# Altium PCB EIT_Teensy_PCBMain.PcbDoc (part 1 of 2) (continued)
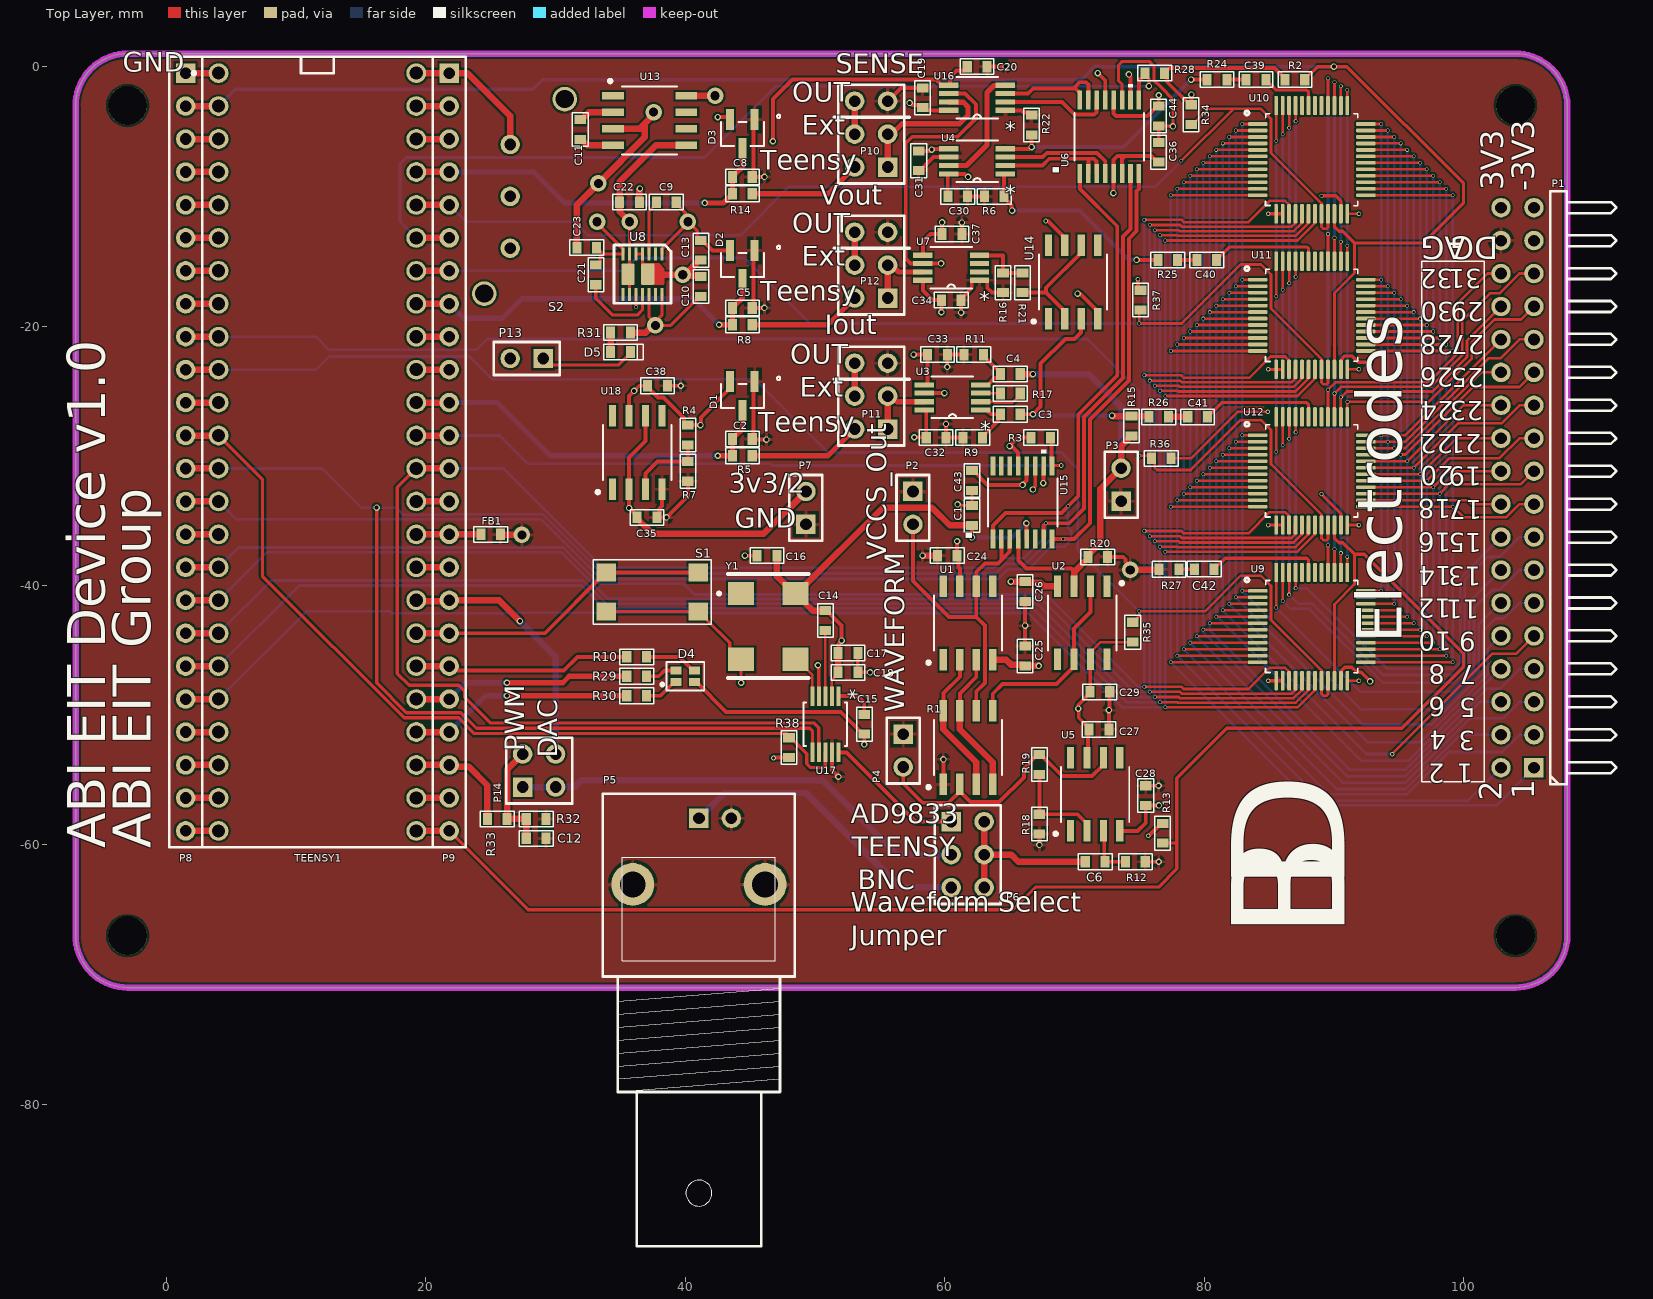
[diagram p0: Top Layer view]
## Footprints (in the part's own frame and the unit in brackets; to place one, negate y for a bottom-side part, rotate by r counter-clockwise, add the part's x,y. Pads: shape width x height; smd on the part's side, far side on the other; paste and mask are expansions set on the pad) (continued)
LED_RGB [mm]
  rect 0.6x0.85 smd: 1(-0.45,0.725) 2(0.45,0.725) 3(0.45,-0.725) 4(-0.45,-0.725)
  silkscreen extent -1.1,-1.45 1.1,1.88, body extent -0.8,-0.8 0.8,0.8, height 0.35
QFP50P900X900X120-49N [mm]
  rrect50% 1.49x0.28 smd mask+0: 1(-4.17,2.75) 2(-4.17,2.25) 3(-4.17,1.75) 4(-4.17,1.25) 5(-4.17,0.75) 6(-4.17,0.25) 7(-4.17,-0.25) 8(-4.17,-0.75) 9(-4.17,-1.25) 10(-4.17,-1.75) 11(-4.17,-2.25) 12(-4.17,-2.75) 25(4.17,-2.75) 26(4.17,-2.25) 27(4.17,-1.75) 28(4.17,-1.25) 29(4.17,-0.75) 30(4.17,-0.25) 31(4.17,0.25) 32(4.17,0.75) 33(4.17,1.25) 34(4.17,1.75) 35(4.17,2.25) 36(4.17,2.75)
  rrect50% 0.28x1.49 smd mask+0: 13(-2.75,-4.17) 14(-2.25,-4.17) 15(-1.75,-4.17) 16(-1.25,-4.17) 17(-0.75,-4.17) 18(-0.25,-4.17) 19(0.25,-4.17) 20(0.75,-4.17) 21(1.25,-4.17) 22(1.75,-4.17) 23(2.25,-4.17) 24(2.75,-4.17) 37(2.75,4.17) 38(2.25,4.17) 39(1.75,4.17) 40(1.25,4.17) 41(0.75,4.17) 42(0.25,4.17) 43(-0.25,4.17) 44(-0.75,4.17) 45(-1.25,4.17) 46(-1.75,4.17) 47(-2.25,4.17) 48(-2.75,4.17)
  silkscreen extent -5.16,-3.55 3.55,3.76
RM_10_ADI [mm]
  rect 1.513x0.3 smd paste+0 mask+0: 1(-2.172,1) 2(-2.172,0.5) 3(-2.172,0) 4(-2.172,-0.5) 5(-2.172,-1) 6(2.172,-1) 7(2.172,-0.5) 8(2.172,0) 9(2.172,0.5) 10(2.172,1)
  silkscreen extent -1.68,-1.68 1.68,1.68, body extent 0,0 0.25,0.25, height 0.25
SOP65P490X110-8N [mil]
  rect 59x15.75 smd mask+0: 1(-86,38) 2(-86,13) 3(-86,-13) 4(-86,-38) 5(86,-38) 6(86,-13) 7(86,13) 8(86,38)
  silkscreen extent -63,-63 63,63
SOT-23_STM-M [mil]
  rect 24x64 smd paste+0 mask+0: 1(-37.4,-44) 2(37.4,-44) 3(0,44)
  silkscreen extent -115,-59 65,37, body extent -60,-53 60,55, height 55
"SWITCH SLIDE SPDT" [mm]
  round 1.5 hole 0.9 paste+0 mask+0: 1(0,0) 2(4,0) 3(8,0)
  round 1.9 hole 1.4 paste+0 mask+0: ""(-3.5,2) ""(11.5,-4.2)
  body extent -4,-4.45 12,2.25, height 12.1
"TACTILE SWITCH SMD MOM" [mm]
  rect 1.5x1.4 smd paste+0 mask+0: 1(0,0) 2(7.1,0) 3(0,3) 4(7.1,3)
  silkscreen extent -1,-1 8.1,4, body extent -0.25,-0.75 7.25,3.75, height 4.9
TEENSY3.6-EDGEONLY [mil]
  round 60 hole 40: 0(0,-100) 1(0,-200) 2(0,-300) 3(0,-400) 3.3V1(0,-1400) 3.3V2(600,-200) 4(0,-500) 5(0,-600) 6(0,-700) 7(0,-800) 8(0,-900) 9(0,-1000) 10(0,-1100) 11(0,-1200) 12(0,-1300) 13(600,-1300) 14(600,-1200) 15(600,-1100) 16(600,-1000) 17(600,-900) 18(600,-800) 19(600,-700) 20(600,-600) 21(600,-500) 22(600,-400) 23(600,-300) 24(0,-1500) 25(0,-1600) 26(0,-1700) 27(0,-1800) 28(0,-1900) 29(0,-2000) 30(0,-2100) 31(0,-2200) 32(0,-2300) 33(600,-2300) 34(600,-2200) 35(600,-2100) 36(600,-2000) 37(600,-1900) 38(600,-1800) 39(600,-1700) A21(600,-1600) A22(600,-1500) AGND(600,-100) GND1(0,0) GND2(600,-1400) VIN(600,0)
  silkscreen extent -80,-2350 650,50, body extent -50,-2350 650,50, height 496
TSSOP-16 [mm]
  rect 1.462x0.355 smd paste+0 mask+0: 1(-2.819,2.275) 2(-2.819,1.625) 3(-2.819,0.975) 4(-2.819,0.325) 5(-2.819,-0.325) 6(-2.819,-0.975) 7(-2.819,-1.625) 8(-2.819,-2.275) 9(2.819,-2.275) 10(2.819,-1.625) 11(2.819,-0.975) 12(2.819,-0.325) 13(2.819,0.325) 14(2.819,0.975) 15(2.819,1.625) 16(2.819,2.275)
  silkscreen extent -1.85,-2.68 4.06,2.68, body extent 0,0 0.25,0.25, height 0.25
"XTAL SMD" [mm]
  rect 1.8x2 smd: 1(0,0) 2(-5.08,0) 3(-5.08,-4.2) 4(0,-4.2)
  silkscreen extent -6.5,-5.2 1.5,1.8

## Part data
C1 C9 C14 C16 C17 C19 C20 C21 C24 C25 C26 C27 C28 C29 C30 C31 C32 C33 C34 C35 C36 C37 C38 C43 C44: library part "Cap 0603 100nF 10% 50V", "Multi Layer Ceramic Capacitor (MLCC) / Cap Ceramic 0.1uF 50V X7R 10% Pad SMD 0603 125¡ãC T/R", Case Code (Imperial)=0603, Case Code (Metric)=1608, Dielectric=X7R, Manufacturer=Samsung, Manufacturer Part Number=CL10B104KB8NNNC, Max Operating Temperature=125°C, Min Operating Temperature=-55°C, Package Quantity=1, Supplier Part Number 1=1276-1000-1-ND, Tolerance=10%, Voltage=50V, Capacitance=100nF, Case/Package=0603, Category="Ceramic Capacitors", ComponentLink1Description=https://datasheet.ciiva.com/25803/cl10b104kb8nnnc-25803393.pdf?src-supplier=Digi-Key, ComponentLink1URL=https://datasheet.ciiva.com/25803/cl10b104kb8nnnc-25803393.pdf?src-supplier=Digi-Key, ComponentLink2Description=https://datasheet.ciiva.com/26838/getdatasheetpartid-89097-26838411.pdf?src-supplier=Verical, ComponentLink2URL=https://datasheet.ciiva.com/26838/getdatasheetpartid-89097-26838411.pdf?src-supplier=Verical, ComponentLink3Description=https://datasheet.ciiva.com/29198/456651-da-01-en-vs-kondensator-0605-29198839.pdf?src-supplier=Conrad, ComponentLink3URL=https://datasheet.ciiva.com/29198/456651-da-01-en-vs-kondensator-0605-29198839.pdf?src-supplier=Conrad, Construction=Flat, Contact Plating=Tin, Depth=0.8mm, Height=0.8mm, Lead Free="Lead Free", Length=1.6mm, Material=Ceramic, Mount="Surface Mount", Packaging="Tape and Reel", Pricing 1="1=0.10000, 10=0.03000, 50=0.01620, 100=0.01330, 500=0.00950, 1000=0.00746 (USD)", Radiation Hardening=No, RoHS=Yes, RoHS Compliant=Yes, Series=CL, Supplier 1=Digi-Key, Thickness=0.035inch, Voltage Rating=50V, Voltage Rating (DC)=50V, Width=0.031inch
  C1 C9 C19 C20 C21 C24 C25 C26 C27 C28 C29 C30 C31 C32 C33 C34 C35 C36 C37 C38 C43 C44: Stock 1=16768569
  C14 C16 C17: Stock 1=16186368
C2 C5 C8 C12: library part "Cap 0603 10pF 5% 100V", "CAP, MLCC, C0G/NP0, 10PF, 50V,0603, REEL; Product Range:YAGEO - CC Series; Capacitance:10pF; Capacitance Tolerance:± 5%; Dielectric Characteristic:C0G / NP0; Voltage Rating:50V; Ceramic Capacitor Case:0603 [1608 Metric]; Operating Temperature Min:-55°C; Operating Temperature Max:125°C; Packaging:Tape & Reel; MSL:MSL 1 - Unlimited; SVHC:No SVHC (16-Dec-2013); Capacitance Tolerance ±:± 5%; Capacitor Case Style:0603 [1608 Metric]; Capacitor Terminals:SMD; No. of Pins:2; Operating Temperature Range:-55°C to +125°C; Reel Quantity:4000; Temperature Coefficient:0ppm/°C ± 30ppm/°C; Terminal Type:Surfa", Case Code (Imperial)=0603, Case Code (Metric)=1608, Dielectric=C0G, Insulation Resistance=100GR, Manufacturer=Yageo, Manufacturer Part Number=CC0603JRNPO9BN100, Max Operating Temperature=125°C, Min Operating Temperature=-55°C, Package Quantity=1, Resistor Type=Ceramic, Supplier Part Number 1=311-1058-1-ND, Temperature Coefficient=30ppm/°C, Tolerance=5%, Voltage=50V, Capacitance=10pF, Case/Package=0603, Category="Ceramic Capacitors", ComponentLink1Description=https://datasheet.ciiva.com/144/mlccorderingcode-144651.pdf?src-supplier=Digi-Key, ComponentLink1URL=https://datasheet.ciiva.com/144/mlccorderingcode-144651.pdf?src-supplier=Digi-Key, ComponentLink2Description=https://datasheet.ciiva.com/5789/1734582-5789616.pdf?src-supplier=Farnell, ComponentLink2URL=https://datasheet.ciiva.com/5789/1734582-5789616.pdf?src-supplier=Farnell, ComponentLink3Description=https://datasheet.ciiva.com/11786/0900766b8079c870-11786407.pdf?src-supplier=RSComponents, ComponentLink3URL=https://datasheet.ciiva.com/11786/0900766b8079c870-11786407.pdf?src-supplier=RSComponents, ComponentLink4Description=https://datasheet.ciiva.com/26862/getdatasheetpartid-403524-26862758.pdf?src-supplier=Verical, ComponentLink4URL=https://datasheet.ciiva.com/26862/getdatasheetpartid-403524-26862758.pdf?src-supplier=Verical, ComponentLink5Description=https://datasheet.ciiva.com/144/mlccorderingcode-144649.pdf?src-supplier=Digi-Key, ComponentLink5URL=https://datasheet.ciiva.com/144/mlccorderingcode-144649.pdf?src-supplier=Digi-Key, ComponentLink6Description=https://datasheet.ciiva.com/144/mlccorderingcode-144650.pdf?src-supplier=Digi-Key, ComponentLink6URL=https://datasheet.ciiva.com/144/mlccorderingcode-144650.pdf?src-supplier=Digi-Key, ComponentLink7Description=https://datasheet.ciiva.com/5425/upy-gp-np0-16v-to-50v-8-5425564.pdf?src-supplier=Mouser, ComponentLink7URL=https://datasheet.ciiva.com/5425/upy-gp-np0-16v-to-50v-8-5425564.pdf?src-supplier=Mouser, ComponentLink8Description=https://datasheet.ciiva.com/16625/upy-gp-np0-16v-to-50v-8-16625514.pdf?src-supplier=Avnet+Europe, ComponentLink8URL=https://datasheet.ciiva.com/16625/upy-gp-np0-16v-to-50v-8-16625514.pdf?src-supplier=Avnet+Europe, ComponentLink9Description=https://datasheet.ciiva.com/7978/1132289-7978126.pdf?src-supplier=Element14, ComponentLink9URL=https://datasheet.ciiva.com/7978/1132289-7978126.pdf?src-supplier=Element14, ComponentLink10Description=https://datasheet.ciiva.com/8033/1734582-8033706.pdf?src-supplier=Element14, ComponentLink10URL=https://datasheet.ciiva.com/8033/1734582-8033706.pdf?src-supplier=Element14, ComponentLink11Description=https://datasheet.ciiva.com/8033/1734582-8033710.pdf?src-supplier=Element14, ComponentLink11URL=https://datasheet.ciiva.com/8033/1734582-8033710.pdf?src-supplier=Element14, ComponentLink12Description=https://datasheet.ciiva.com/46430/1835847-46430150.pdf?src-supplier=Element14, ComponentLink12URL=https://datasheet.ciiva.com/46430/1835847-46430150.pdf?src-supplier=Element14, Depth=0.8mm, Height=0.8mm, Lead Free="Lead Free", Length=1.6mm, Mount="Surface Mount", Number of Pins=2, Packaging="Tape and Reel", Pricing 1="1=0.10000, 10=0.04100, 50=0.02220, 100=0.01810, 500=0.01296, 1000=0.01018 (USD)", Radiation Hardening=No, REACH SVHC="No SVHC", RoHS=Yes, RoHS Compliant=Yes, Series=CC, Stock 1=559632, Supplier 1=Digi-Key, Termination=SMD/SMT, Thickness=0.035inch, Voltage Rating=50V, Voltage Rating (DC)=50V, Width=0.031inch
C3 C4: library part "Cap 0603 1.5nF 10% 50V", "Ceramic capacitor SMD-0603 1, 5nF /50V X7R# K +-10%, Samsung, RoHS", Case Code (Imperial)=0603, Case Code (Metric)=1608, Dielectric=X7R, Manufacturer=Samsung, Manufacturer Part Number=CL10B152KB8NNNC, Max Operating Temperature=125°C, Min Operating Temperature=-55°C, Package Quantity=1, Supplier Part Number 1=1276-1786-2-ND, Tolerance=10%, Voltage=50V, Capacitance=1.5nF, Case/Package=0603, Category="Ceramic Capacitors", ComponentLink1Description=https://datasheet.ciiva.com/25802/cl10b152kb8nnnc-25802595.pdf?src-supplier=Digi-Key, ComponentLink1URL=https://datasheet.ciiva.com/25802/cl10b152kb8nnnc-25802595.pdf?src-supplier=Digi-Key, ComponentLink2Description=https://datasheet.ciiva.com/26838/getdatasheetpartid-640464-26838436.pdf?src-supplier=Verical, ComponentLink2URL=https://datasheet.ciiva.com/26838/getdatasheetpartid-640464-26838436.pdf?src-supplier=Verical, ComponentLink3Description=https://datasheet.ciiva.com/29198/458103-da-01-en-vs-kondensator-0603-29198610.pdf?src-supplier=Conrad, ComponentLink3URL=https://datasheet.ciiva.com/29198/458103-da-01-en-vs-kondensator-0603-29198610.pdf?src-supplier=Conrad, ComponentLink4Description=https://datasheet.ciiva.com/26310/mlcc-catalogdownload2013-eng-26310332.pdf?src-supplier=Distrelec, ComponentLink4URL=https://datasheet.ciiva.com/26310/mlcc-catalogdownload2013-eng-26310332.pdf?src-supplier=Distrelec, Construction=Flat, Contact Plating=Tin, Depth=0.8mm, Height=0.8mm, Length=1.6mm, Material=Ceramic, Mount="Surface Mount", Packaging="Tape and Reel", Pricing 1="4000=0.00765 (USD)", Radiation Hardening=No, RoHS=Yes, RoHS Compliant=Yes, Series=CL, Stock 1=252000, Supplier 1=Digi-Key, Thickness=0.035inch, Voltage Rating=50V, Width=0.031inch
C6: library part "Cap 0603 15nF 10% 50V", "Cap Ceramic 0.015uF 50V X7R 10% SMD 0603 125C T/R", Case Code (Imperial)=0603, Case Code (Metric)=1608, Dielectric=X7R, Dielectric Material=Ceramic, Insulation Resistance=10GR, Manufacturer=Yageo, Manufacturer Part Number=CC0603KRX7R9BB153, Max Operating Temperature=125°C, Min Operating Temperature=-55°C, Package Quantity=1, Supplier Part Number 1=311-1430-1-ND, Tolerance=10%, Voltage=50V, Capacitance=15nF, Case/Package=0603, Category="Ceramic Capacitors", ComponentLink1Description=https://datasheet.ciiva.com/26918/getdatasheetpartid-403585-26918319.pdf?src-supplier=Verical, ComponentLink1URL=https://datasheet.ciiva.com/26918/getdatasheetpartid-403585-26918319.pdf?src-supplier=Verical, ComponentLink2Description=https://datasheet.ciiva.com/176/mlccorderingcode-176402.pdf?src-supplier=Digi-Key, ComponentLink2URL=https://datasheet.ciiva.com/176/mlccorderingcode-176402.pdf?src-supplier=Digi-Key, ComponentLink3Description=https://datasheet.ciiva.com/11587/upy-gphc-x7r-6-3v-to-50v-8-11587221.pdf?src-supplier=Avnet, ComponentLink3URL=https://datasheet.ciiva.com/11587/upy-gphc-x7r-6-3v-to-50v-8-11587221.pdf?src-supplier=Avnet, ComponentLink4Description=https://datasheet.ciiva.com/176/mlccorderingcode-176400.pdf?src-supplier=Digi-Key, ComponentLink4URL=https://datasheet.ciiva.com/176/mlccorderingcode-176400.pdf?src-supplier=Digi-Key, ComponentLink5Description=https://datasheet.ciiva.com/176/mlccorderingcode-176401.pdf?src-supplier=Digi-Key, ComponentLink5URL=https://datasheet.ciiva.com/176/mlccorderingcode-176401.pdf?src-supplier=Digi-Key, ComponentLink6Description=https://datasheet.ciiva.com/17434/upy-gphc-x7r-6-3v-to-50v-8-17434649.pdf?src-supplier=Avnet+Europe, ComponentLink6URL=https://datasheet.ciiva.com/17434/upy-gphc-x7r-6-3v-to-50v-8-17434649.pdf?src-supplier=Avnet+Europe, ComponentLink7Description=https://datasheet.ciiva.com/7978/1489800-7978167.pdf?src-supplier=Element14, ComponentLink7URL=https://datasheet.ciiva.com/7978/1489800-7978167.pdf?src-supplier=Element14, Depth=0.8mm, Dissipation Factor=2.5%, Halogen Free="Halogen Free", Height=0.8mm, Lead Free="Lead Free", Length=1.6mm, Mount="Surface Mount", Packaging="Tape and Reel", Pricing 1="1=0.10000, 10=0.05200, 50=0.02840, 100=0.02330, 500=0.01662, 1000=0.01306 (USD)", Radiation Hardening=No, REACH SVHC=Unknown, Resistor Type=Ceramic, RoHS=Yes, RoHS Compliant=Yes, Series=CC, Stock 1=123647, Supplier 1=Digi-Key, Termination=SMD/SMT, Thickness=0.035inch, Voltage Rating=50V, Voltage Rating (DC)=50V, Width=0.031inch
C10 C11 C13 C18 C22 C23: library part "Cap 0603 10uF 10% 25V", "0603 10 uF 25 V ±20 % Tolerance X5R Surface Mount Multilayer Ceramic Capacitor", Case Code (Imperial)=0603, Case Code (Metric)=1608, Manufacturer=Murata, Manufacturer Part Number=GRT188R61E106ME13D, Max Operating Temperature=85°C, Min Operating Temperature=-55°C, Ratings=AEC-Q200, Supplier Part Number 1=490-12323-1-ND, Tolerance=20%, Voltage Rating=25V, Capacitance=10uF, Case/Package=0603, Category="Ceramic Capacitors", ComponentLink1Description=https://search.murata.co.jp/Ceramy/image/img/A01X/G101/ENG/GRT188R61E106ME13-01.pdf?src-supplier=Digi-Key, ComponentLink1URL=https://search.murata.co.jp/Ceramy/image/img/A01X/G101/ENG/GRT188R61E106ME13-01.pdf?src-supplier=Digi-Key, ComponentLink2Description=http://search.murata.co.jp/Ceramy/image/img/A01X/G101/ENG/GRT188R61E106ME13-01.pdf?src-supplier=Digi-Key, ComponentLink2URL=http://search.murata.co.jp/Ceramy/image/img/A01X/G101/ENG/GRT188R61E106ME13-01.pdf?src-supplier=Digi-Key, Length=0.063inch, Mount="Surface Mount", Packaging="Tape and Reel", Pricing 1="1=0.53000, 10=0.36700, 50=0.25660, 100=0.22000, 500=0.16498, 1000=0.13932 (USD)", RoHS=No, RoHS Compliant=No, Stock 1=290939, Supplier 1=Digi-Key, Thickness=0.035inch, Width=0.031inch
C15: library part "Cap 0603 10nF 10% 50V", "CAP CER 10000PF 50V X7R 0603", Case Code (Imperial)=0603, Case Code (Metric)=1608, Dielectric=X7R, Manufacturer=Samsung, Manufacturer Part Number=CL10B103KB8NFNC, Max Operating Temperature=125°C, Min Operating Temperature=-55°C, Supplier Part Number 1=1276-1922-1-ND, Tolerance=10%, Voltage Rating=50V, Capacitance=10nF, Case/Package=0603, Category="Ceramic Capacitors", ComponentLink1Description=https://datasheet.ciiva.com/25712/cl10b103kb8nfnc-25712209.pdf?src-supplier=Digi-Key, ComponentLink1URL=https://datasheet.ciiva.com/25712/cl10b103kb8nfnc-25712209.pdf?src-supplier=Digi-Key, Construction=Flat, Contact Plating=Tin,Matte, Depth=0.8mm, Height=0.8mm, Length=0.063inch, Mount="Surface Mount", Packaging="Tape and Reel", Pricing 1="1=0.10000, 10=0.03700, 50=0.02020, 100=0.01650, 500=0.01176, 1000=0.00923 (USD)", Radiation Hardening=No, RoHS=Yes, RoHS Compliant=Yes, Series=CL, Stock 1=172215, Supplier 1=Digi-Key, Thickness=0.035inch, Width=0.031inch
C39 C40 C41 C42: library part "Cap 0603 47nF 10% 50V", "CAP CER 0.047UF 50V X7R 0603", Case Code (Imperial)=0603, Case Code (Metric)=1608, Dielectric=Y5V, Manufacturer=Samsung, Manufacturer Part Number=CL10B473KB8NNNC, Max Operating Temperature=125°C, Min Operating Temperature=-55°C, Package Quantity=4000, Supplier Part Number 1=1276-1063-1-ND, Tolerance=10%, Voltage=50V, Capacitance=47nF, Case/Package=0603, Category="Ceramic Capacitors", ComponentLink1Description=https://datasheet.ciiva.com/25802/cl10b473kb8nnnc-25802915.pdf?src-supplier=Digi-Key, ComponentLink1URL=https://datasheet.ciiva.com/25802/cl10b473kb8nnnc-25802915.pdf?src-supplier=Digi-Key, ComponentLink2Description=https://datasheet.ciiva.com/15216/getdatasheetpartid-359560-15216232.pdf?src-supplier=Verical, ComponentLink2URL=https://datasheet.ciiva.com/15216/getdatasheetpartid-359560-15216232.pdf?src-supplier=Verical, ComponentLink3Description=https://datasheet.ciiva.com/29198/456947-da-01-en-vs-kondensator-0603-29198896.pdf?src-supplier=Conrad, ComponentLink3URL=https://datasheet.ciiva.com/29198/456947-da-01-en-vs-kondensator-0603-29198896.pdf?src-supplier=Conrad, ComponentLink4Description=https://datasheet.ciiva.com/26310/mlcc-catalogdownload2013-eng-26310327.pdf?src-supplier=Distrelec, ComponentLink4URL=https://datasheet.ciiva.com/26310/mlcc-catalogdownload2013-eng-26310327.pdf?src-supplier=Distrelec, ComponentLink5Description=https://datasheet.ciiva.com/20173/71-0317-20173339.pdf?src-supplier=Rapid+Electronics, ComponentLink5URL=https://datasheet.ciiva.com/20173/71-0317-20173339.pdf?src-supplier=Rapid+Electronics, Construction=Flat, Contact Plating=Tin, Depth=0.8mm, Height=0.8mm, Lead Free="Lead Free", Length=1.6mm, Material=Ceramic, Mount="Surface Mount", Packaging="Tape and Reel", Pricing 1="1=0.10000, 10=0.03200, 50=0.01740, 100=0.01420, 500=0.01012, 1000=0.00796 (USD)", Radiation Hardening=No, RoHS=Yes, RoHS Compliant=Yes, Series=CL, Stock 1=641905, Supplier 1=Digi-Key, Thickness=0.035inch, Voltage Rating=50V, Voltage Rating (DC)=50V, Width=0.031inch
D1 D2 D3: library part "Diode Array Schottky BAT54S SOT23-3", "Rectifier Diode Small Signal Schottky 40V 0.3A 5ns 3-Pin SOT-23 T/R", Average Rectified Current=300mA, Case/Package=SOT-23, Forward Voltage=900mV, Manufacturer=STMicroelectronics, Manufacturer Part Number=BAT54SFILM, Max Forward Surge Current (Ifsm)=1A, Max Operating Temperature=150°C, Max Repetitive Reverse Voltage (Vrrm)=40V, Max Reverse Current=100uA, Max Reverse Leakage Current=1uA, Min Operating Temperature=-40°C, Package Quantity=3000, Supplier Part Number 1=497-2522-1-ND, Voltage Rating (DC)=30V, Category="Rectifier Diodes", ComponentLink1Description=https://datasheet.ciiva.com/1200/cd00001322-1200682.pdf?src-supplier=Farnell, ComponentLink1URL=https://datasheet.ciiva.com/1200/cd00001322-1200682.pdf?src-supplier=Farnell, ComponentLink2Description=https://datasheet.ciiva.com/1200/1689724-1200683.pdf?src-supplier=Farnell, ComponentLink2URL=https://datasheet.ciiva.com/1200/1689724-1200683.pdf?src-supplier=Farnell, ComponentLink3Description=https://datasheet.ciiva.com/905/cd00001322-905881.pdf?src-supplier=Digi-Key, ComponentLink3URL=https://datasheet.ciiva.com/905/cd00001322-905881.pdf?src-supplier=Digi-Key, ComponentLink4Description=https://datasheet.ciiva.com/905/cd00001322-905882.pdf?src-supplier=Digi-Key, ComponentLink4URL=https://datasheet.ciiva.com/905/cd00001322-905882.pdf?src-supplier=Digi-Key, ComponentLink5Description=https://datasheet.ciiva.com/905/cd00001322-905883.pdf?src-supplier=Digi-Key, ComponentLink5URL=https://datasheet.ciiva.com/905/cd00001322-905883.pdf?src-supplier=Digi-Key, ComponentLink6Description=https://datasheet.ciiva.com/14168/cd00001322-14168028.pdf?src-supplier=Distrelec, ComponentLink6URL=https://datasheet.ciiva.com/14168/cd00001322-14168028.pdf?src-supplier=Distrelec, Current Rating=300mA, Element Configuration=Single, Forward Current=300mA, Height=0.95mm, Lead Free="Lead Free", Length=2.9mm, Max Reverse Voltage (DC)=40V, Max Surge Current=1A, Mount="Surface Mount", Number of Pins=3, Packaging="Tape and Reel", Peak Non-Repetitive Surge Current=1A, Pricing 1="1=0.25000, 10=0.20400, 100=0.10820, 500=0.07116, 1000=0.04838 (USD)", Radiation Hardening=No, REACH SVHC="No SVHC", Recovery Time=5ns, Reverse Recovery Time=5ns, RoHS=Yes, RoHS Compliant=Yes, Stock 1=23811, Supplier 1=Digi-Key, Termination=SMD/SMT, Weight=0.1lb, Width=3.05mm
D4: "LED RGB DIFFUSED SMD", Case Code (Imperial)=0606, Case Code (Metric)=1616, Color=Blue,Green,Red, Forward Voltage=3.3V, Manufacturer="Wurth Electronics", Manufacturer Part Number=150066M153000, Supplier Part Number 1=732-11390-1-ND, Test Current=20mA, Case/Package=0606, Category=LEDs, ComponentLink1Description=http://www.farnell.com/datasheets/2301702.pdf?src-supplier=Farnell, ComponentLink1URL=http://www.farnell.com/datasheets/2301702.pdf?src-supplier=Farnell, ComponentLink2Description=https://katalog.we-online.de/led/datasheet/150066M153000.pdf?src-supplier=Digi-Key, ComponentLink2URL=https://katalog.we-online.de/led/datasheet/150066M153000.pdf?src-supplier=Digi-Key, ComponentLink3Description=http://www.farnell.com/datasheets/2301702.pdf?src-supplier=Newark, ComponentLink3URL=http://www.farnell.com/datasheets/2301702.pdf?src-supplier=Newark, ComponentLink4Description=http://www.farnell.com/datasheets/2301702.pdf?src-supplier=Element14, ComponentLink4URL=http://www.farnell.com/datasheets/2301702.pdf?src-supplier=Element14, Dominant Wavelength=470nm, Element Configuration="Common Anode", Height=0.5mm, Length=1.6mm, Lens Size=1.6mm, Lens Style=Flat, Lens Transparency=Diffused, Luminous Intensity=180mcd, Mount="Surface Mount", Packaging="Tape and Reel", Pricing 1="1=0.51000, 50=0.41500, 100=0.29800, 500=0.27200 (USD)", RoHS=Yes, RoHS Compliant=Yes, Stock 1=12367, Supplier 1=Digi-Key, Viewing Angle=120°, Width=1.6mm
D5: library part "LED Green 0603 2V", "LED GREEN DIFFUSED 0603 SMD", Case Code (Imperial)=0603, Case Code (Metric)=1608, Color=Green, Forward Current=20mA, Forward Voltage=2V, Lens Color=White, Manufacturer="Osram Opto", Manufacturer Part Number="LG Q396-PS-35", Supplier Part Number 1=475-3754-1-ND, Case/Package=0603, ComponentLink1Description=http://www.farnell.com/datasheets/2057314.pdf?src-supplier=Farnell, ComponentLink1URL=http://www.farnell.com/datasheets/2057314.pdf?src-supplier=Farnell, ComponentLink2Description=https://dammedia.osram.info/media/resource/hires/osram-dam-2493948/LG%20Q396.pdf?src-supplier=Digi-Key, ComponentLink2URL=https://dammedia.osram.info/media/resource/hires/osram-dam-2493948/LG%20Q396.pdf?src-supplier=Digi-Key, ComponentLink3Description=http://www.osram-os.com/Graphics/XPic6/00153197_0.pdf?src-supplier=Digi-Key, ComponentLink3URL=http://www.osram-os.com/Graphics/XPic6/00153197_0.pdf?src-supplier=Digi-Key, ComponentLink4Description=http://www.farnell.com/datasheets/2057314.pdf?src-supplier=Element14, ComponentLink4URL=http://www.farnell.com/datasheets/2057314.pdf?src-supplier=Element14, ComponentLink5Description=http://www.farnell.com/datasheets/2057314.pdf?src-supplier=Newark, ComponentLink5URL=http://www.farnell.com/datasheets/2057314.pdf?src-supplier=Newark, Dominant Wavelength=573nm, Height=0.4mm, Length=1.6mm, Lens Size=0.8mm, Lens Style=Flat,Rectangular, Lens Transparency=Diffused, Luminous Intensity=163mcd, Mount="Surface Mount", Packaging="Tape and Reel", Pricing 1="1=0.38000, 10=0.20600, 100=0.09540, 500=0.08808, 1000=0.06900, 2000=0.06754 (USD)", REACH SVHC="No SVHC", RoHS=Yes, RoHS Compliant=Yes, Stock 1=58559, Supplier 1=Digi-Key, Test Current=20mA, Viewing Angle=120°, Wavelength=573nm, Width=0.8mm
FB1: library part "Ferrite Bead 0603 600R", "WURTH ELEKTRONIK - 742792651 - Ferrite Bead, 0603 [1608 Metric], 600 ohm, 1 A, WE-CBF Series, 0.2 ohm, &#177; 25%", Case Code (Imperial)=0603, Case Code (Metric)=1608, Case/Package=SMD/SMT, Current Rating=1A, DC Resistance (DCR)=200mR, Inductance=0.36H, Manufacturer="Wurth Electronics", Manufacturer Part Number=742792651, Max Operating Temperature=125°C, Min Operating Temperature=-55°C, Package Quantity=1, Supplier Part Number 1=732-1593-1-ND, Test Frequency=100MHz, Tolerance=25%, Category="Ferrite Beads and Chips", Code_IEC=1005, Code_JEITA=0402, ComponentLink1Description=https://datasheet.ciiva.com/1013/742792651-1013527.pdf?src-supplier=Digi-Key, ComponentLink1URL=https://datasheet.ciiva.com/1013/742792651-1013527.pdf?src-supplier=Digi-Key, ComponentLink2Description=https://datasheet.ciiva.com/1475/1705833-1475349.pdf?src-supplier=Farnell, ComponentLink2URL=https://datasheet.ciiva.com/1475/1705833-1475349.pdf?src-supplier=Farnell, ComponentLink3Description=https://datasheet.ciiva.com/4940/742792651-72243-4940492.pdf?src-supplier=Mouser, ComponentLink3URL=https://datasheet.ciiva.com/4940/742792651-72243-4940492.pdf?src-supplier=Mouser, ComponentLink4Description=https://datasheet.ciiva.com/11803/0900766b80d2e079-11803680.pdf?src-supplier=RSComponents, ComponentLink4URL=https://datasheet.ciiva.com/11803/0900766b80d2e079-11803680.pdf?src-supplier=RSComponents, ComponentLink5Description=https://datasheet.ciiva.com/1013/742792651-1013528.pdf?src-supplier=Digi-Key, ComponentLink5URL=https://datasheet.ciiva.com/1013/742792651-1013528.pdf?src-supplier=Digi-Key, ComponentLink6Description=https://datasheet.ciiva.com/1013/742792651-1013529.pdf?src-supplier=Digi-Key, ComponentLink6URL=https://datasheet.ciiva.com/1013/742792651-1013529.pdf?src-supplier=Digi-Key, ComponentLink7Description=https://datasheet.ciiva.com/22711/1705833-22711420.pdf?src-supplier=Element14, ComponentLink7URL=https://datasheet.ciiva.com/22711/1705833-22711420.pdf?src-supplier=Element14, Core Material=Ferrite, Depth=0.8mm, Height=0.8mm, Impedance=600R, Lead Free="Lead Free", Length=1.6mm, Material=Ferrite, Max Current Rating=1A, Max DC Current=1A, Mount="Surface Mount", Number of Lines=1, PackageDescription="Chip Inductor", Packaging="Tape and Reel", Pricing 1="1=0.17000, 50=0.16800, 100=0.15500, 500=0.14800, 1000=0.14100, 2000=0.13400 (USD)", REACH SVHC=Unknown, Resistance=200mR, RoHS=Yes, RoHS Compliant=Yes, Series=WE-CBF, Stock 1=222780, Supplier 1=Digi-Key, Termination=SMD/SMT, Weight=0.000141oz, Width=0.8mm
P1: library part "Header 18X2 2.54mm T/H R/A Male", "CONN HEADER .100 DUAL R/A 36POS", Color=Black, Manufacturer=Sullins, Manufacturer Part Number=PRPC018DBAN-M71RC, Package Quantity=1, Supplier Part Number 1=S2111EC-18-ND, Category=Connectors, ComponentLink1Description=https://datasheet.ciiva.com/741/xrxczzzdxxn-m71rc-11639-b-741667.pdf?src-supplier=Digi-Key, ComponentLink1URL=https://datasheet.ciiva.com/741/xrxczzzdxxn-m71rc-11639-b-741667.pdf?src-supplier=Digi-Key, Connector Type="Male Pin", Contact Mating Length=0.23inch, Contact Plating=Gold, Contact Type="Male Pin", Mount="Through Hole", Number of Positions=36, Number of Rows=2, Packaging=Bulk, Pitch=0.1inch, Pricing 1="1=1.38000, 10=1.25200, 25=1.17480, 50=1.12380, 100=1.07280, 250=0.97060, 500=0.89398 (USD)", RoHS=Yes, RoHS Compliant=Yes, Row Spacing=0.1inch, Series=-, Supplier 1=Digi-Key, Termination=Solder
P2 P3 P4 P7 P13: library part "Header 2x1 2.54mm T/H Male", "CONN HEADER VERT 2POS 2.54MM", Color=Black, Manufacturer=Sullins, Manufacturer Part Number=PRPC002SAAN-RC, Package Quantity=1, Supplier Part Number 1=S1011EC-02-ND, Category=Connectors, ComponentLink1Description=https://datasheet.ciiva.com/741/xrxczzzsxxn-rc-st-11635-b-741243.pdf?src-supplier=Digi-Key, ComponentLink1URL=https://datasheet.ciiva.com/741/xrxczzzsxxn-rc-st-11635-b-741243.pdf?src-supplier=Digi-Key, Connector Type="Male Pin", Contact Mating Length=0.23inch, Contact Plating=Gold, Mount="Through Hole", Number of Positions=2, Number of Rows=1, Packaging=Bulk, Pitch=0.1inch, Pricing 1="1=0.08000, 10=0.07300, 25=0.05400, 50=0.04640, 100=0.04490, 250=0.03872, 500=0.03716 (USD)", RoHS=Yes, Stock 1=34676, Supplier 1=Digi-Key, Termination=Solder
P5: library part "Jack BNC Female T/H R/A TE", "Conn ZDC/BNC RCP 0Hz to 4GHz 50Ohm Solder RA Thru-Hole Gold Over Nickel Over Copper Individual", Color=White, Dielectric Material=PE, Frequency=4GHz, Manufacturer="TE Connectivity", Manufacturer Part Number=1-1337543-0, Max Operating Temperature=185°C, Min Operating Temperature=-67°C, Operating Frequency="0 to 4 GHz", Package Quantity=100, Supplier Part Number 1=A97553-ND, Body Plating=Nickel, Category="RF / Coaxial Connectors", ComponentLink1Description=https://datasheet.ciiva.com/644/eng-cd-1337543-g-644734.pdf?src-supplier=Digi-Key, ComponentLink1URL=https://datasheet.ciiva.com/644/eng-cd-1337543-g-644734.pdf?src-supplier=Digi-Key, ComponentLink2Description=https://datasheet.ciiva.com/644/eng-cd-1337543-g-644734.pdf?src-supplier=Farnell, ComponentLink2URL=https://datasheet.ciiva.com/644/eng-cd-1337543-g-644734.pdf?src-supplier=Farnell, ComponentLink3Description=https://datasheet.ciiva.com/11763/0900766b805faaaa-11763772.pdf?src-supplier=RSComponents, ComponentLink3URL=https://datasheet.ciiva.com/11763/0900766b805faaaa-11763772.pdf?src-supplier=RSComponents, ComponentLink4Description=https://datasheet.ciiva.com/3133/eng-ds-6-1773448-5-zdc-rf-coax-50-75-ohm-1007-3133303.pdf?src-supplier=Avnet, ComponentLink4URL=https://datasheet.ciiva.com/3133/eng-ds-6-1773448-5-zdc-rf-coax-50-75-ohm-1007-3133303.pdf?src-supplier=Avnet, ComponentLink5Description=https://datasheet.ciiva.com/30238/eng-ds-6-1773448-5-zdc-rf-coax-50-75-ohm-1007-30238783.pdf?src-supplier=Onlinecomponents.com, ComponentLink5URL=https://datasheet.ciiva.com/30238/eng-ds-6-1773448-5-zdc-rf-coax-50-75-ohm-1007-30238783.pdf?src-supplier=Onlinecomponents.com, ComponentLink6Description=https://datasheet.ciiva.com/16653/eng-ds-6-1773448-5-zdc-rf-coax-50-75-ohm-1007-16653071.pdf?src-supplier=Avnet+Europe, ComponentLink6URL=https://datasheet.ciiva.com/16653/eng-ds-6-1773448-5-zdc-rf-coax-50-75-ohm-1007-16653071.pdf?src-supplier=Avnet+Europe, ComponentLink7Description=https://datasheet.ciiva.com/14567/70084602-14567445.pdf?src-supplier=Allied+Electronics, ComponentLink7URL=https://datasheet.ciiva.com/14567/70084602-14567445.pdf?src-supplier=Allied+Electronics, ComponentLink8Description=https://datasheet.ciiva.com/1115/580087-1115285.pdf?src-supplier=Element14, ComponentLink8URL=https://datasheet.ciiva.com/1115/580087-1115285.pdf?src-supplier=Element14, Connector System=Cable-to-Board, Connector Type=BNC,Jack, Contact Material=Brass, Contact Plating=Gold, Depth=34.9mm, Fastening Type=Bayonet, Gender=Female, Housing Color=White, Impedance=50R, Insulation Material=Polyethylene, Length=14.7mm, Max Frequency=4GHz, Number of Positions=1, Orientation="Right Angle", Packaging=Box, PCB Mount Retention=With, PCB Thickness=0.13inch, Plating=Nickel, Polarity=Normal, Pricing 1="1=1.67000, 10=1.51800, 25=1.42520, 50=1.36300, 100=1.30110, 250=1.17716, 500=1.08424, 1000=0.92935 (USD)", Radiation Hardening=No, REACH SVHC=Unknown, RoHS=Yes, RoHS Compliant=Yes, Sealable="No (Without)", Series=BNC, Stock 1=4913, Supplier 1=Digi-Key, Tail Length=4.9mm, Termination=Solder
P6 P10 P11 P12: library part "Header 3X2 2.54mm Male", "Header, 3-Pin, Dual row"
P8 P9: library part "Header 24x1 Male", "CONN HEADER .100 SNGL STR 24POS", Color=Black, Manufacturer=Sullins, Manufacturer Part Number=PRPC024SFAN-RC, Package Quantity=1, Supplier Part Number 1=S1211EC-24-ND, Category=Connectors, ComponentLink1Description=https://datasheet.ciiva.com/741/xrxczzzsxxn-rc-st-11635-b-741341.pdf?src-supplier=Digi-Key, ComponentLink1URL=https://datasheet.ciiva.com/741/xrxczzzsxxn-rc-st-11635-b-741341.pdf?src-supplier=Digi-Key, Connector Type="Male Pin", Contact Mating Length=0.318inch, Contact Plating=Gold, Contact Type="Male Pin", Mount="Through Hole", Number of Positions=24, Number of Rows=1, Packaging=Bulk, Pitch=0.1inch, Pricing 1="1=0.68000, 10=0.63500, 25=0.57160, 50=0.50800, 100=0.48690, 250=0.44452, 500=0.42336 (USD)", RoHS=Yes, RoHS Compliant=Yes, Series=-, Stock 1=248, Supplier 1=Digi-Key, Termination=Solder
P14: library part "Header 2X2 2.54mm Male", "Header, 2-Pin, Dual row"
R1: "Res Thin Film NET 10K Ohm 0.1% 0.4W ±25ppm/°C ISOL Molded Epoxy 8-Pin SOIC Gull Wing SMD Medical T/R", Case/Package=DIP, Manufacturer="Vishay Dale Thin Film", Manufacturer Part Number=ORNTA1002AT1, Max Operating Temperature=125°C, Min Operating Temperature=-55°C, Number of Resistors=4, Package Quantity=1, Power Per Element=100mW, Resistance=10kR, Resistance Tolerance=0.1%, Supplier Part Number 1=ORNT-10KACT-ND, Temperature Coefficient=25ppm/°C, Voltage Rating=100V, Category="Resistor Arrays", Circuit Type=Isolated, ComponentLink1Description=https://datasheet.ciiva.com/23596/1750005-23596168.pdf?src-supplier=Newark, ComponentLink1URL=https://datasheet.ciiva.com/23596/1750005-23596168.pdf?src-supplier=Newark, ComponentLink2Description=https://datasheet.ciiva.com/2691/orn-2691499.pdf?src-supplier=Digi-Key, ComponentLink2URL=https://datasheet.ciiva.com/2691/orn-2691499.pdf?src-supplier=Digi-Key, ComponentLink3Description=https://datasheet.ciiva.com/2691/orn-2691500.pdf?src-supplier=Digi-Key, ComponentLink3URL=https://datasheet.ciiva.com/2691/orn-2691500.pdf?src-supplier=Digi-Key, ComponentLink4Description=https://datasheet.ciiva.com/2691/orn-2691501.pdf?src-supplier=Digi-Key, ComponentLink4URL=https://datasheet.ciiva.com/2691/orn-2691501.pdf?src-supplier=Digi-Key, ComponentLink5Description=https://datasheet.ciiva.com/8352/orn-8352811.pdf?src-supplier=Avnet, ComponentLink5URL=https://datasheet.ciiva.com/8352/orn-8352811.pdf?src-supplier=Avnet, ComponentLink6Description=https://datasheet.ciiva.com/5036/orn-102377-5036262.pdf?src-supplier=Mouser, ComponentLink6URL=https://datasheet.ciiva.com/5036/orn-102377-5036262.pdf?src-supplier=Mouser, Height=0.068inch, Lead Pitch=1.27mm, Length=0.194inch, Mount="Surface Mount", Number of Elements=4, Number of Pins=8, Number of Terminals/Pins=8, Packaging="Tape and Reel", Pricing 1="1=3.86000, 10=3.45000, 25=3.24320, 50=2.96700, 100=2.55300, 250=2.20800, 500=2.00100 (USD)", Radiation Hardening=No, REACH SVHC=Unknown, RoHS=Yes, RoHS Compliant=Yes, Series=ORN, Stock 1=44707, Supplier 1=Digi-Key, Technology="THIN FILM", Termination=SMD/SMT, Tolerance=0.1%, Voltage Rating (DC)=100V, Width=3.99mm
R2 R3 R4 R6 R7 R9 R11 R13 R16 R18 R21 R22 R28 R32 R33 R34 R35 R36 R37 R38: library part "Res 0603 10K 1%", "Res General Purpose Thick Film 0603 10K Ohm 1% 1/10W ±100ppm/°C Molded SMD Paper T/R", Case Code (Imperial)=0603, Case Code (Metric)=1608, Manufacturer=Yageo, Manufacturer Part Number=RC0603FR-0710KL, Max Operating Temperature=155°C, Max Power Dissipation=100mW, Min Operating Temperature=-55°C, Resistance=10kR, Resistance Tolerance=1%, Resistor Type="Thick Film", Supplier Part Number 1=311-10.0KHRCT-ND, Temperature Coefficient=100ppm/°C, Voltage Rating=75V, Voltage Rating (DC)=50V, Case/Package=0603, Category="Chip SMD Resistors", ComponentLink1Description=https://datasheet.ciiva.com/15189/getdatasheetpartid-409289-15189591.pdf?src-supplier=Verical, ComponentLink1URL=https://datasheet.ciiva.com/15189/getdatasheetpartid-409289-15189591.pdf?src-supplier=Verical, ComponentLink2Description=https://datasheet.ciiva.com/7660/38590-7660789.pdf?src-supplier=Element14, ComponentLink2URL=https://datasheet.ciiva.com/7660/38590-7660789.pdf?src-supplier=Element14, ComponentLink3Description=https://datasheet.ciiva.com/7746/1738695-7746239.pdf?src-supplier=Element14, ComponentLink3URL=https://datasheet.ciiva.com/7746/1738695-7746239.pdf?src-supplier=Element14, ComponentLink4Description=https://datasheet.ciiva.com/7983/443971-7983596.pdf?src-supplier=Element14, ComponentLink4URL=https://datasheet.ciiva.com/7983/443971-7983596.pdf?src-supplier=Element14, ComponentLink5Description=https://datasheet.ciiva.com/22747/443971-22747519.pdf?src-supplier=Element14, ComponentLink5URL=https://datasheet.ciiva.com/22747/443971-22747519.pdf?src-supplier=Element14, ComponentLink6Description=https://datasheet.ciiva.com/46440/1868787-46440891.pdf?src-supplier=Element14, ComponentLink6URL=https://datasheet.ciiva.com/46440/1868787-46440891.pdf?src-supplier=Element14, Construction=Rectangular, Depth=0.8mm, Features="Moisture Resistant", Height=0.45mm, Lead Free="Lead Free", Lead Pitch=0.3mm, Length=1.6mm, Military Standard=Not, Number of Pins=2, Number of Terminations=2, Packaging="Tape and Reel", Power Rating=100mW, Pricing 1="1=0.10000, 10=0.02400, 100=0.00970, 1000=0.00436, 2500=0.00378 (USD)", REACH SVHC=Unknown, RoHS=Yes, RoHS Compliant=Yes, Series=RC, Size Code=0603, Stock 1=18430741, Supplier 1=Digi-Key, Termination=SMD/SMT, Tolerance=1%, Weight=7.1E-05oz, Width=0.8mm
R5 R8 R14: library part "Res 0603 3K 1%", "Res Thick Film 0603 3K Ohm 1% 0.1W(1/10W) ±100ppm/C Pad SMD T/R", Case Code (Imperial)=0603, Case Code (Metric)=1608, Manufacturer=Yageo, Manufacturer Part Number=RC0603FR-073KL, Max Operating Temperature=155°C, Max Power Dissipation=100mW, Min Operating Temperature=-55°C, Resistance=3kR, Resistance Tolerance=1%, Resistor Type="Thick Film", Supplier Part Number 1=311-3.00KHRCT-ND, Temperature Coefficient=100ppm/°C, Voltage Rating=50V, Case/Package=0603, Category="Chip SMD Resistors", ComponentLink1Description=http://www.mouser.com/ds/2/447/RC0603-272842.pdf?src-supplier=Mouser, ComponentLink1URL=http://www.mouser.com/ds/2/447/RC0603-272842.pdf?src-supplier=Mouser, ComponentLink2Description=http://www.farnell.com/datasheets/2167052.pdf?src-supplier=Farnell, ComponentLink2URL=http://www.farnell.com/datasheets/2167052.pdf?src-supplier=Farnell, ComponentLink3Description=https://www.verical.com/server-webapp/html/getDatasheet?partID=135099&src-supplier=Verical, ComponentLink3URL=https://www.verical.com/server-webapp/html/getDatasheet?partID=135099&src-supplier=Verical, ComponentLink4Description=http://components.arrow.com/part/dataview/0323_00200942?src-supplier=Arrow+Europe, ComponentLink4URL=http://components.arrow.com/part/dataview/0323_00200942?src-supplier=Arrow+Europe, ComponentLink5Description=http://www.yageo.com/documents/recent/PYu-RC_Group_51_RoHS_L_9.pdf?src-supplier=Digi-Key, ComponentLink5URL=http://www.yageo.com/documents/recent/PYu-RC_Group_51_RoHS_L_9.pdf?src-supplier=Digi-Key, ComponentLink6Description=http://www.yageo.com/documents/recent/PYu-RC_Group_51_RoHS_L_10.pdf?src-supplier=Digi-Key, ComponentLink6URL=http://www.yageo.com/documents/recent/PYu-RC_Group_51_RoHS_L_10.pdf?src-supplier=Digi-Key, ComponentLink7Description=http://www.farnell.com/datasheets/1868787.pdf?src-supplier=Newark, ComponentLink7URL=http://www.farnell.com/datasheets/1868787.pdf?src-supplier=Newark, ComponentLink8Description=http://www.yageo.com/documents/recent/PYu-RC0603_51_RoHS_L_7.pdf?src-supplier=Future+Electronics, ComponentLink8URL=http://www.yageo.com/documents/recent/PYu-RC0603_51_RoHS_L_7.pdf?src-supplier=Future+Electronics, ComponentLink9Description=http://www.farnell.com/datasheets/2167052.pdf?src-supplier=Element14, ComponentLink9URL=http://www.farnell.com/datasheets/2167052.pdf?src-supplier=Element14, Construction=Rectangular, Depth=0.8mm, Features="Moisture Resistant", Lead Free="Lead Free", Length=1.6mm, Military Standard=Not, Number of Pins=2, Number of Terminations=2, Packaging="Tape and Reel", Power Rating=100mW, Pricing 1="1=0.10000, 10=0.02400, 100=0.00970, 1000=0.00436, 2500=0.00378 (USD)", REACH SVHC="No SVHC", RoHS=Yes, RoHS Compliant=Yes, Series=RC, Size Code=0603, Stock 1=1025416, Supplier 1=Digi-Key, Termination=SMD/SMT, Tolerance=1%, Voltage Rating (DC)=50V, Width=800um